# Altium PCB AVALON2_21b.PcbDoc (part 3 of 7) (continued)
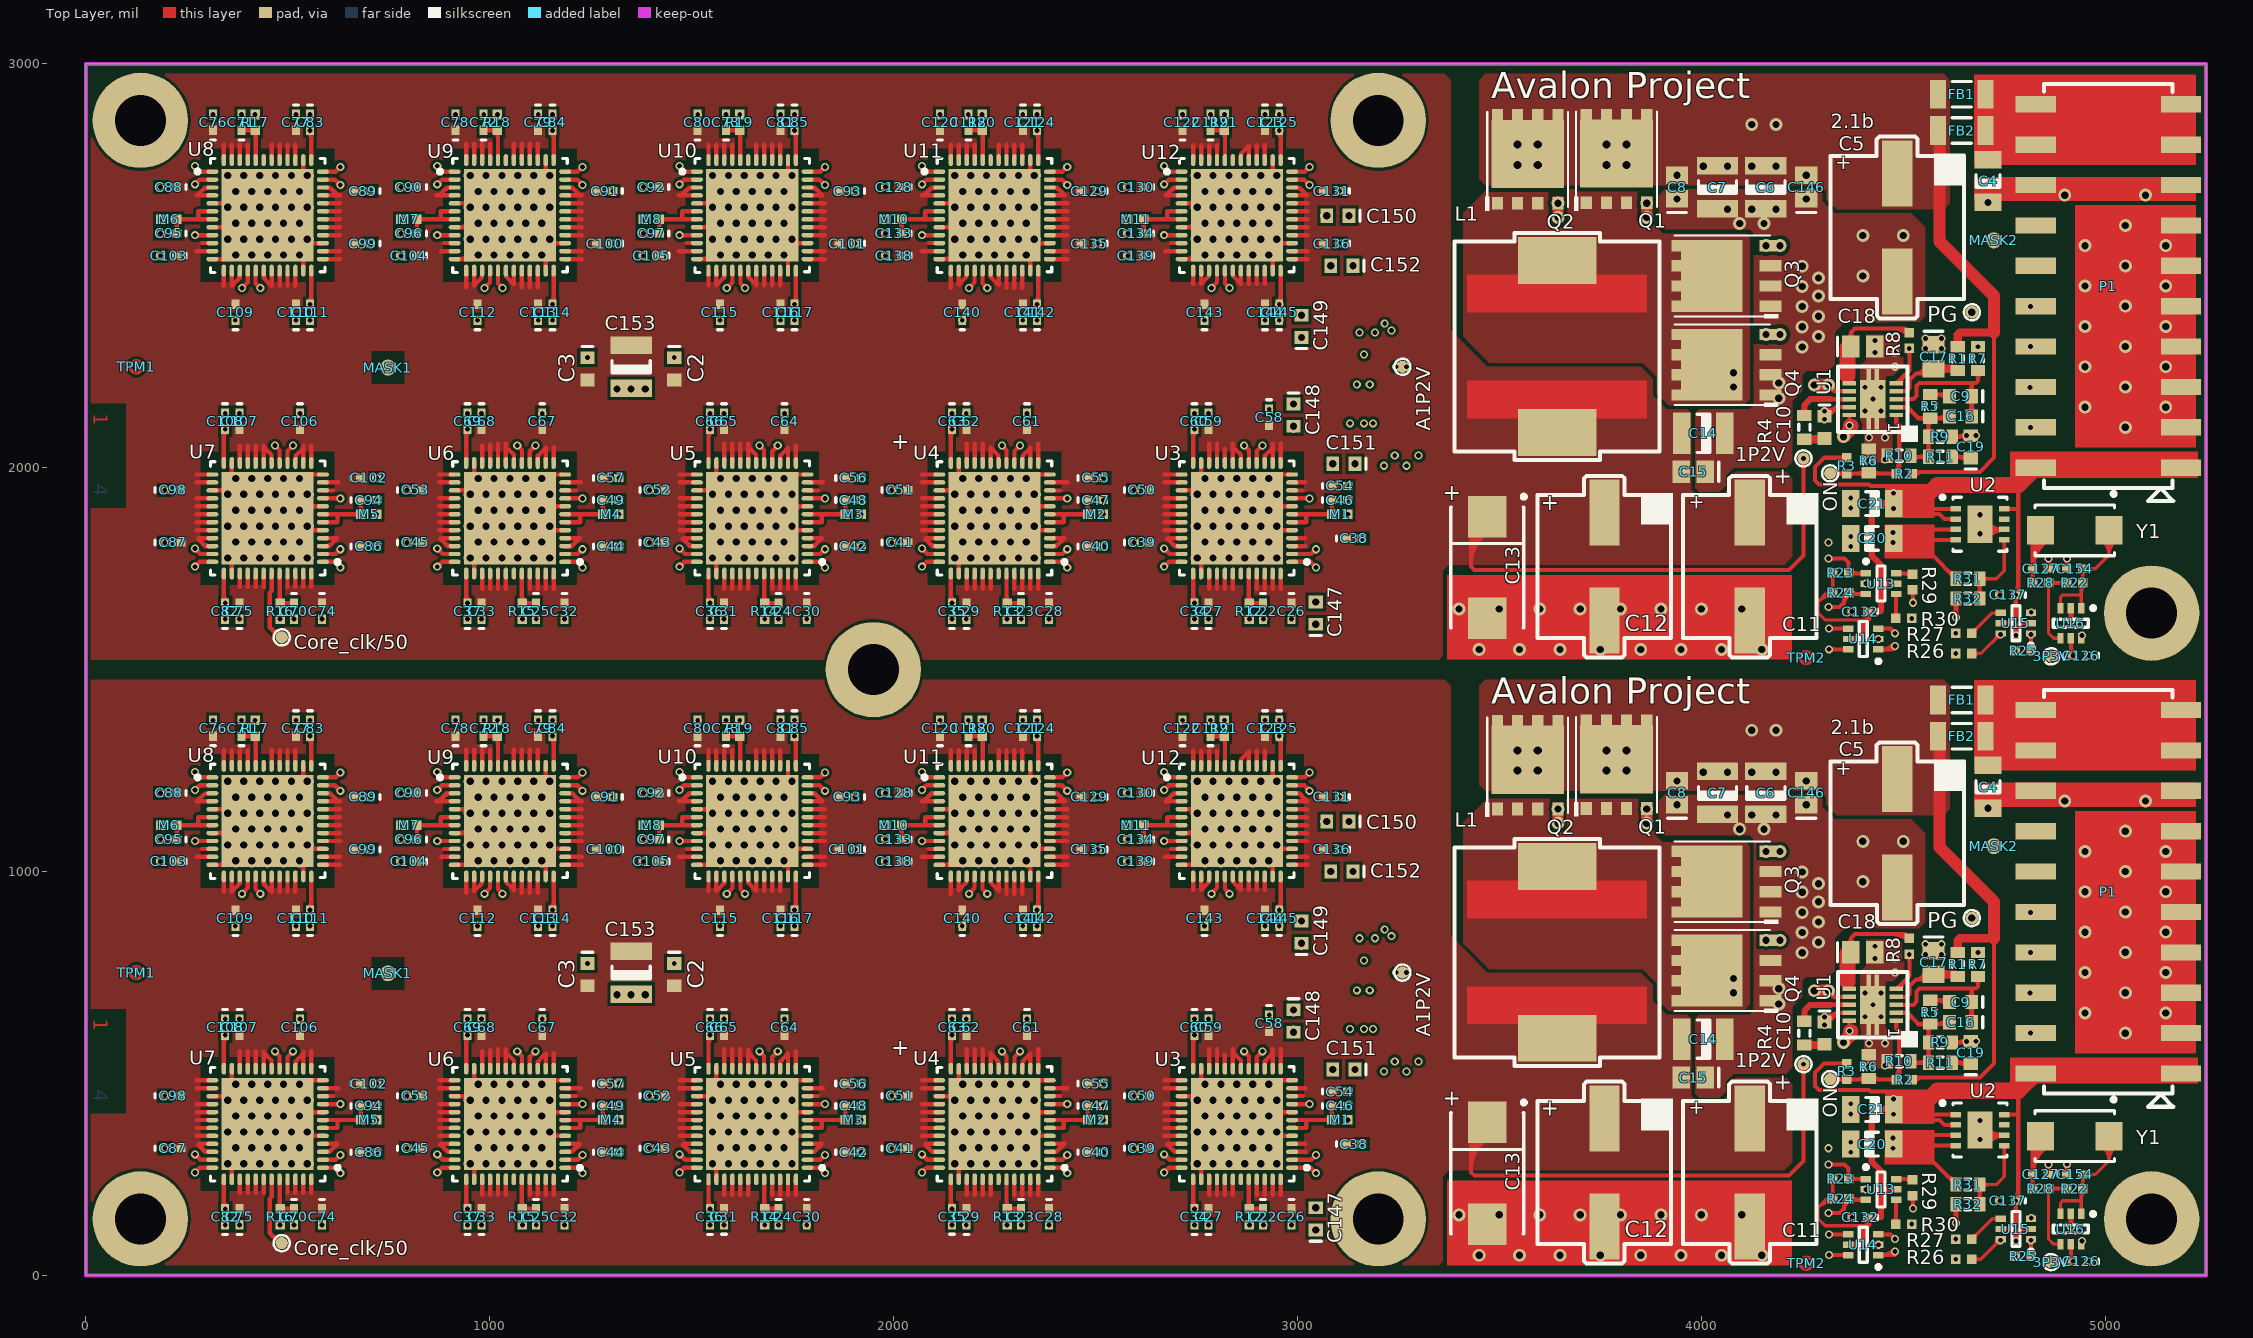
[diagram p0: Top Layer view]
## Nets (pads, with @x,y where several pads share a name; then routed paths per layer and width w, separated by ;. In a path a pad name is that pad's centre, name@x,y a point inside that pad or via, vN(x,y) a via of type N, cw(c..) or ccw(c..) an arc to the next point about the centre after c; other vN are vias at no path point) (continued)
; U11.49@2326.84,1048.16 cw(c2346.03,1028.97) U11.49@2346.03,1056.1 ; U11.49@2326.84,2548.16 cw(c2346.03,2528.97) U11.49@2346.03,2556.1 ; U4.49@2328.39,395.04 cw(c2351.3,372.13) U4.49@2351.3,404.53 ; U4.49@2328.39,1895.04 cw(c2351.3,1872.13) U4.49@2351.3,1904.53 ; U4.49@2336.16,387.26 cw(c2377.85,345.57) U4.8@2377.85,404.53 ; U4.49@2336.16,1887.26 cw(c2377.85,1845.57) U4.8@2377.85,1904.53 ; U11.49@2336.39,1053.52 ccw(c2331.78,1070.73) U11.49@2348.91,1065.81 ; U11.49@2336.39,2553.52 ccw(c2331.78,2570.73) U11.49@2348.91,2565.81 ; U11.23@2338.58,986.22 U11.49@2338.58,1036.42 ; U11.49@2338.58,1213.58 U11.38@2338.58,1263.78 ; U11.23@2338.58,2486.22 U11.49@2338.58,2536.42 ; U11.49@2338.58,2713.58 U11.38@2338.58,2763.78 ; U11.49@2343.62,1056.1 U11.27@2384.84,1056.1 ; U11.49@2343.62,2556.1 U11.27@2384.84,2556.1 ; U4.49@2353.62,483.27 U4.12@2384.84,483.27 ; U4.49@2353.62,1983.27 U4.12@2384.84,1983.27 ; U3.27@2711.22,443.9 U3.49@2742,443.9 ; U12.8@2711.22,1095.47 U12.49@2820.47,1095.47 ; U12.5@2711.22,1154.53 2820.47,1154.53 ccw(c2820.47,1133.43) U12.49@2800.76,1140.94 ; U3.27@2711.22,1943.9 U3.49@2742,1943.9 ; U12.8@2711.22,2595.47 U12.49@2820.47,2595.47 ; U12.5@2711.22,2654.53 2820.47,2654.53 ccw(c2820.47,2633.43) U12.49@2800.76,2640.94 ; U12.12@2715.16,1016.73 U12.49@2756.38,1016.73 ; U12.12@2715.16,2516.73 U12.49@2756.38,2516.73 ; U12.12@2722.15,1016.73 ccw(c2722.15,1075.69) U12.49@2763.84,1034 ; U12.8@2722.15,1095.47 ccw(c2722.15,1154.43) U12.49@2763.84,1112.74 ; U12.12@2722.15,2516.73 ccw(c2722.15,2575.69) U12.49@2763.84,2534 ; U12.8@2722.15,2595.47 ccw(c2722.15,2654.43) U12.49@2763.84,2612.74 ; U12.49@2741.83,1154.53 cw(c2741.83,1095.57) U12.49@2783.52,1137.26 ; U12.49@2741.83,2654.53 cw(c2741.83,2595.57) U12.49@2783.52,2637.26 ; U12.49@2748.71,1016.73 ccw(c2748.71,1049.13) U12.49@2771.61,1026.22 ; U12.49@2748.71,1095.47 ccw(c2748.71,1127.87) U12.49@2771.61,1104.96 ; U12.49@2748.71,2516.73 ccw(c2748.71,2549.13) U12.49@2771.61,2526.22 ; U12.49@2748.71,2595.47 ccw(c2748.71,2627.87) U12.49@2771.61,2604.96 ; U12.49@2751.22,1145.04 cw(c2774.13,1122.13) U12.49@2774.13,1154.53 ; U12.49@2751.22,2645.04 cw(c2774.13,2622.13) U12.49@2774.13,2654.53 ; U12.49@2759,1137.26 cw(c2800.69,1095.57) U12.49@2800.69,1154.53 ; U12.49@2759,2637.26 cw(c2800.69,2595.57) U12.49@2800.69,2654.53 ; U3.38@2761.42,236.22 U3.49@2761.42,286.42 ; U3.49@2761.42,463.58 U3.23@2761.42,513.78 ; U3.38@2761.42,1736.22 U3.49@2761.42,1786.42 ; U3.49@2761.42,1963.58 U3.23@2761.42,2013.78 ; U12.49@2761.52,1095.47 ccw(c2761.52,1154.43) U12.49@2803.21,1112.74 ; U12.49@2761.52,2595.47 ccw(c2761.52,2654.43) U12.49@2803.21,2612.74 ; U12.49@2768.39,1154.53 cw(c2768.39,1122.13) U12.49@2791.3,1145.04 ; U12.49@2768.39,2654.53 cw(c2768.39,2622.13) U12.49@2791.3,2645.04 ; U12.49@2770.91,1104.96 ccw(c2793.81,1127.87) U12.49@2793.81,1095.47 ; U12.49@2770.91,2604.96 ccw(c2793.81,2627.87) U12.49@2793.81,2595.47 ; U12.49@2778.68,1112.74 ccw(c2820.37,1154.43) U12.49@2820.37,1095.47 ; U12.49@2778.68,2612.74 ccw(c2820.37,2654.43) U12.49@2820.37,2595.47 ; U12.49@2781.2,1154.53 cw(c2781.2,1095.57) U12.49@2822.89,1137.26 ; U12.49@2781.2,2654.53 cw(c2781.2,2595.57) U12.49@2822.89,2637.26 ; U12.49@2788.08,1095.47 ccw(c2788.08,1127.87) U12.49@2810.98,1104.96 ; U12.49@2788.08,2595.47 ccw(c2788.08,2627.87) U12.49@2810.98,2604.96 ; U12.49@2790.48,1144.86 cw(c2804.51,1139.52) U12.49@2804.51,1154.53 ; U12.49@2790.48,2644.86 cw(c2804.51,2639.52) U12.49@2804.51,2654.53 ; U12.49@2807.76,1154.53 cw(c2807.76,1122.13) U12.49@2830.67,1145.04 ; U12.49@2807.76,2654.53 cw(c2807.76,2622.13) U12.49@2830.67,2645.04 ; U3.49@2869.33,354.96 ccw(c2892.24,377.87) U3.49@2892.24,345.47 ; U3.49@2869.33,1854.96 ccw(c2892.24,1877.87) U3.49@2892.24,1845.47 ; U3.49@2877.11,362.74 ccw(c2918.8,404.43) U3.49@2918.8,345.47 ; U3.49@2877.11,1862.74 ccw(c2918.8,1904.43) U3.49@2918.8,1845.47 ; U3.49@2879.53,404.53 U3.8@2988.78,404.53 ; U3.49@2879.53,1904.53 U3.8@2988.78,1904.53 ; U3.49@2879.63,404.53 cw(c2879.63,345.57) U3.49@2921.32,387.26 ; U3.49@2879.63,1904.53 cw(c2879.63,1845.57) U3.49@2921.32,1887.26 ; U3.49@2889.02,395.04 cw(c2911.92,372.13) U3.49@2911.92,404.53 ; U3.49@2889.02,1895.04 cw(c2911.92,1872.13) U3.49@2911.92,1904.53 ; U3.49@2895.49,345.47 ccw(c2895.49,360.48) U3.49@2909.52,355.14 ; U3.49@2895.49,1845.47 ccw(c2895.49,1860.48) U3.49@2909.52,1855.14 ; U3.49@2896.79,387.26 cw(c2938.48,345.57) U3.49@2938.48,404.53 ; U3.49@2896.79,1887.26 cw(c2938.48,1845.57) U3.49@2938.48,1904.53 ; U3.49@2899.24,359.06 cw(c2879.53,366.57) 2879.53,345.47 U3.5@2988.78,345.47 ; U3.49@2899.24,1859.06 cw(c2879.53,1866.57) 2879.53,1845.47 U3.5@2988.78,1845.47 ; U3.49@2899.31,345.47 ccw(c2899.31,404.43) U3.49@2941,362.74 ; U3.49@2899.31,1845.47 ccw(c2899.31,1904.43) U3.49@2941,1862.74 ; U3.49@2906.19,404.53 cw(c2906.19,372.13) U3.49@2929.09,395.04 ; U3.49@2906.19,1904.53 cw(c2906.19,1872.13) U3.49@2929.09,1895.04 ; U3.49@2908.7,354.96 ccw(c2931.61,377.87) U3.49@2931.61,345.47 ; U3.49@2908.7,1854.96 ccw(c2931.61,1877.87) U3.49@2931.61,1845.47 ; U3.49@2916.48,362.74 ccw(c2958.17,404.43) U3.49@2958.17,345.47 ; U3.49@2916.48,1862.74 ccw(c2958.17,1904.43) U3.49@2958.17,1845.47 ; U3.49@2925.87,345.47 ccw(c2925.87,377.87) U3.49@2948.78,354.96 ; U3.49@2925.87,1845.47 ccw(c2925.87,1877.87) U3.49@2948.78,1854.96 ; U3.49@2928.39,395.04 cw(c2951.29,372.13) U3.49@2951.29,404.53 ; U3.49@2928.39,1895.04 cw(c2951.29,1872.13) U3.49@2951.29,1904.53 ; U3.49@2936.16,387.26 cw(c2977.85,345.57) U3.8@2977.85,404.53 ; U3.49@2936.16,1887.26 cw(c2977.85,1845.57) U3.8@2977.85,1904.53 ; U12.23@2938.58,986.22 U12.49@2938.58,1036.42 ; U12.49@2938.58,1213.58 U12.38@2938.58,1263.78 ; U12.23@2938.58,2486.22 U12.49@2938.58,2536.42 ; U12.49@2938.58,2713.58 U12.38@2938.58,2763.78 ; U3.49@2953.62,483.27 U3.12@2984.84,483.27 ; U12.49@2953.62,1056.1 U12.27@2984.84,1056.1 ; U3.49@2953.62,1983.27 U3.12@2984.84,1983.27 ; U12.49@2953.62,2556.1 U12.27@2984.84,2556.1
  Top Layer w12: R6.1@4409.5,541.03 cw(c4396.22,527.75) 4415,527.75 cw(c4433.78,527.75) R6.1@4420.5,541.03 ; R6.1@4409.5,2041.03 cw(c4396.22,2027.75) 4415,2027.75 cw(c4433.78,2027.75) R6.1@4420.5,2041.03 ; v2@4411.63,521.15 ccw(c4398.68,529.38) R6.1@4413.5,533.35 ; v2@4411.63,2021.15 ccw(c4398.68,2029.38) R6.1@4413.5,2033.35 ; v2@4415,516.25 v2(4415,519) R6.1@4415,546.53 ; v2@4415,2016.25 v2(4415,2019) R6.1@4415,2046.53 ; R6.1@4416.5,533.35 ccw(c4431.32,529.38) v2@4418.38,521.15 ; R6.1@4416.5,2033.35 ccw(c4431.32,2029.38) v2@4418.38,2021.15 ; R32.2@4624.97,166.56 cw(c4611.69,153.28) 4630.47,153.28 cw(c4649.25,153.28) R32.2@4635.97,166.56 ; R32.2@4624.97,1666.56 cw(c4611.69,1653.28) 4630.47,1653.28 cw(c4649.25,1653.28) R32.2@4635.97,1666.56 ; v2(4630.47,129.53) R32.2@4630.47,176 ; v2(4630.47,1629.53) R32.2@4630.47,1676 ; U2.9@4686.46,339.92 cw(c4704.05,322.33) U2.9@4704.05,347.2 ; U2.9@4686.46,1839.92 cw(c4704.05,1822.33) U2.9@4704.05,1847.2 ; U2.9@4692.96,342.71 ccw(c4700.9,359.67) U2.9@4711.41,344.18 ; U2.9@4692.96,1842.71 ccw(c4700.9,1859.67) U2.9@4711.41,1844.18 ; U2.9@4694.94,331.43 cw(c4733.02,293.36) 4733.02,347.2 ; U2.9@4694.94,1831.43 cw(c4733.02,1793.36) 4733.02,1847.2 ; U2.9@4699.47,336.07 cw(c4723.8,315.04) 4723.8,347.2 ; U2.9@4699.47,1836.07 cw(c4723.8,1815.04) 4723.8,1847.2 ; U2.9@4702.8,347.2 U2.6@4750.04,347.2 ccw(c4750.04,292.37) U2.9@4708.55,328.22 ; U2.9@4702.8,1847.2 U2.6@4750.04,1847.2 ccw(c4750.04,1792.37) U2.9@4708.55,1828.22 ; U2.9@4707.33,361.58 ccw(c4742.05,396.3) U2.6@4742.05,347.2 ; U2.9@4707.33,1861.58 ccw(c4742.05,1896.3) U2.6@4742.05,1847.2 ; v2(4779,85) 4779,103.13 4790.87,115 U15.2@4816.4,115 ; v2(4779,1585) 4779,1603.13 4790.87,1615 U15.2@4816.4,1615 ; C127.1@4856.97,252.72 ccw(c4849.65,260.04) 4860,260.04 ; C127.1@4856.97,1752.72 ccw(c4849.65,1760.04) 4860,1760.04 ; C127.1@4860,250.31 v2(4860,275) ; C127.1@4860,1750.31 v2(4860,1775) ; C154.1@4905.32,250 v2(4905.32,275.32) ; C154.1@4905.32,1750 v2(4905.32,1775.32) ; v2(4915,120) U16.2@4915,152.4 ; v2(4915,1620) U16.2@4915,1652.4
  other v1: 3450,50 3550,50 3650,50 3750,50 3850,50 3950,50 4050,50 4150,50 3045,112.44 3400,150 3500,150 3600,150 3700,150 3800,150 3900,150 4000,150 4100,150 351.57,276.57 390.94,276.57 430.31,276.57 469.69,276.57 509.06,276.57 548.43,276.57 951.57,276.57 990.94,276.57 1030.31,276.57 1069.69,276.57 1109.06,276.57 1148.43,276.57 1551.57,276.57 1590.94,276.57 1630.31,276.57 1669.69,276.57 1709.06,276.57 1748.43,276.57 2151.57,276.57 2190.94,276.57 2230.31,276.57 2269.69,276.57 2309.06,276.57 2348.43,276.57 2751.57,276.57 2790.94,276.57 2830.32,276.57 2869.68,276.57 2909.06,276.57 2948.43,276.57 371.26,315.94 410.63,315.94 450,315.94 489.37,315.94 528.74,315.94 971.26,315.94 1010.63,315.94 1050,315.94 1089.37,315.94 1128.74,315.94 1571.26,315.94 1610.63,315.94 1650,315.94 1689.37,315.94 1728.74,315.94 2171.26,315.94 2210.63,315.94 2250,315.94 2289.37,315.94 2328.74,315.94 2771.26,315.94 2810.63,315.94 2850,315.94 2889.37,315.94 2928.74,315.94 351.57,355.32 390.94,355.32 430.31,355.32 469.69,355.32 509.06,355.32 548.43,355.32 951.57,355.32 990.94,355.32 1030.31,355.32 1069.69,355.32 1109.06,355.32 1148.43,355.32 1551.57,355.32 1590.94,355.32 1630.31,355.32 1669.69,355.32 1709.06,355.32 1748.43,355.32 2151.57,355.32 2190.94,355.32 2230.31,355.32 2269.69,355.32 2309.06,355.32 2348.43,355.32 2751.57,355.32 2790.94,355.32 2830.32,355.32 2869.68,355.32 2909.06,355.32 2948.43,355.32 371.26,394.69 410.63,394.69 450,394.69 489.37,394.69 528.74,394.69 971.26,394.69 1010.63,394.69 1050,394.69 1089.37,394.69 1128.74,394.69 1571.26,394.69 1610.63,394.69 1650,394.69 1689.37,394.69 1728.74,394.69 2171.26,394.69 2210.63,394.69 2250,394.69 2289.37,394.69 2328.74,394.69 2771.26,394.69 2810.63,394.69 2850,394.69 2889.37,394.69 2928.74,394.69 351.57,434.06 390.94,434.06 430.31,434.06 469.69,434.06 509.06,434.06 548.43,434.06 951.57,434.06 990.94,434.06 1030.31,434.06 1069.69,434.06 1109.06,434.06 1148.43,434.06 1551.57,434.06 1590.94,434.06 1630.31,434.06 1669.69,434.06 1709.06,434.06 1748.43,434.06 2190.94,434.06 2230.31,434.06 2269.69,434.06 2309.06,434.06 2348.43,434.06 2751.57,434.06 2790.94,434.06 2830.32,434.06 2869.68,434.06 2909.06,434.06 2948.43,434.06 371.26,473.43 410.63,473.43 450,473.43 489.37,473.43 528.74,473.43 971.26,473.43 1010.63,473.43 1050,473.43 1089.37,473.43 1128.74,473.43 1571.26,473.43 1610.63,473.43 1650,473.43 1689.37,473.43 1728.74,473.43 2171.26,473.43 2210.63,473.43 2250,473.43 2289.37,473.43 2328.74,473.43 2771.26,473.43 2810.63,473.43 2850,473.43 2889.37,473.43 2928.74,473.43 3142.56,510 5050,600 4950,650 5150,650 2990,657.56 4192,672 1315,695 1350,695 1385,695 5050,700 4192,710 4950,750 5150,750 4249.72,799 5050,800 3010,822.44 4290,825 4249.72,849 4950,850 5150,850 4290,875 4249.72,899 5050,900 4290,925 4249.72,949 4950,950 5150,950 4290,970 4400,975 4249.72,999 3137.56,1000 5050,1000 371.26,1026.57 410.63,1026.57 450,1026.57 489.37,1026.57 528.74,1026.57 971.26,1026.57 1010.63,1026.57 1050,1026.57 1089.37,1026.57 1128.74,1026.57 1571.26,1026.57 1610.63,1026.57 1650,1026.57 1689.37,1026.57 1728.74,1026.57 2171.26,1026.57 2210.63,1026.57 2250,1026.57 2289.37,1026.57 2328.74,1026.57 2771.26,1026.57 2810.63,1026.57 2850,1026.57 2889.37,1026.57 2928.74,1026.57 4950,1050 5150,1050 351.57,1065.94 390.94,1065.94 430.31,1065.94 469.69,1065.94 509.06,1065.94 548.43,1065.94 951.57,1065.94 990.94,1065.94 1030.31,1065.94 1069.69,1065.94 1109.06,1065.94 1148.43,1065.94 1551.57,1065.94 1590.94,1065.94 1630.31,1065.94 1669.69,1065.94 1709.06,1065.94 1748.43,1065.94 2151.57,1065.94 2190.94,1065.94 2230.31,1065.94 2269.69,1065.94 2309.06,1065.94 2348.43,1065.94 2751.57,1065.94 2790.94,1065.94 2830.32,1065.94 2869.68,1065.94 2909.06,1065.94 2948.43,1065.94 4400,1075 4500,1075 5050,1100 371.26,1105.31 410.63,1105.31 450,1105.31 489.37,1105.31 528.74,1105.31 971.26,1105.31 1010.63,1105.31 1050,1105.31 1089.37,1105.31 1128.74,1105.31 1571.26,1105.31 1610.63,1105.31 1650,1105.31 1689.37,1105.31 1728.74,1105.31 2171.26,1105.31 2210.63,1105.31 2250,1105.31 2289.37,1105.31 2328.74,1105.31 2771.26,1105.31 2810.63,1105.31 2850,1105.31 2889.37,1105.31 2928.74,1105.31 4095,1105 4155,1105 3127.56,1124 4065,1140 4125,1140 4185,1140 351.57,1144.68 390.94,1144.68 430.31,1144.68 469.69,1144.68 509.06,1144.68 548.43,1144.68 951.57,1144.68 990.94,1144.68 1030.31,1144.68 1069.69,1144.68 1109.06,1144.68 1148.43,1144.68 1551.57,1144.68 1590.94,1144.68 1630.31,1144.68 1669.69,1144.68 1709.06,1144.68 1748.43,1144.68 2151.57,1144.68 2190.94,1144.68 2230.31,1144.68 2269.69,1144.68 2309.06,1144.68 2348.43,1144.68 2751.57,1144.68 2790.94,1144.68 2830.32,1144.68 2869.68,1144.68 2909.06,1144.68 2948.43,1144.68 4710,1156.85 3940,1165.47 4260,1165.47 4900,1175 5100,1175 371.26,1184.06 410.63,1184.06 450,1184.06 489.37,1184.06 528.74,1184.06 971.26,1184.06 1010.63,1184.06 1050,1184.06 1089.37,1184.06 1128.74,1184.06 1571.26,1184.06 1610.63,1184.06 1650,1184.06 1689.37,1184.06 1728.74,1184.06 2171.26,1184.06 2210.63,1184.06 2250,1184.06 2289.37,1184.06 2328.74,1184.06 2771.26,1184.06 2810.63,1184.06 2850,1184.06 2889.37,1184.06 2928.74,1184.06 351.57,1223.43 390.94,1223.43 430.31,1223.43 469.69,1223.43 509.06,1223.43 548.43,1223.43 951.57,1223.43 990.94,1223.43 1030.31,1223.43 1069.69,1223.43 1109.06,1223.43 1148.43,1223.43 1551.57,1223.43 1590.94,1223.43 1630.31,1223.43 1669.69,1223.43 1709.06,1223.43 1748.43,1223.43 2151.57,1223.43 2190.94,1223.43 2230.31,1223.43 2269.69,1223.43 2309.06,1223.43 2348.43,1223.43 2751.57,1223.43 2790.94,1223.43 2830.32,1223.43 2869.68,1223.43 2909.06,1223.43 2948.43,1223.43 3450,1550 3550,1550 3650,1550 3750,1550 3850,1550 3950,1550 4050,1550 4150,1550 3045,1612.44 3400,1650 3500,1650 3600,1650 3700,1650 3800,1650 3900,1650 4000,1650 4100,1650 351.57,1776.57 390.94,1776.57 430.31,1776.57 469.69,1776.57 509.06,1776.57 548.43,1776.57 951.57,1776.57 990.94,1776.57 1030.31,1776.57 1069.69,1776.57 1109.06,1776.57 1148.43,1776.57 1551.57,1776.57 1590.94,1776.57 1630.31,1776.57 1669.69,1776.57 1709.06,1776.57 1748.43,1776.57 2151.57,1776.57 2190.94,1776.57 2230.31,1776.57 2269.69,1776.57 2309.06,1776.57 2348.43,1776.57 2751.57,1776.57 2790.94,1776.57 2830.32,1776.57 2869.68,1776.57 2909.06,1776.57 2948.43,1776.57 371.26,1815.94 410.63,1815.94 450,1815.94 489.37,1815.94 528.74,1815.94 971.26,1815.94 1010.63,1815.94 1050,1815.94 1089.37,1815.94 1128.74,1815.94 1571.26,1815.94 1610.63,1815.94 1650,1815.94 1689.37,1815.94 1728.74,1815.94 2171.26,1815.94 2210.63,1815.94 2250,1815.94 2289.37,1815.94 2328.74,1815.94 2771.26,1815.94 2810.63,1815.94 2850,1815.94 2889.37,1815.94 2928.74,1815.94 351.57,1855.32 390.94,1855.32 430.31,1855.32 469.69,1855.32 509.06,1855.32 548.43,1855.32 951.57,1855.32 990.94,1855.32 1030.31,1855.32 1069.69,1855.32 1109.06,1855.32 1148.43,1855.32 1551.57,1855.32 1590.94,1855.32 1630.31,1855.32 1669.69,1855.32 1709.06,1855.32 1748.43,1855.32 2151.57,1855.32 2190.94,1855.32 2230.31,1855.32 2269.69,1855.32 2309.06,1855.32 2348.43,1855.32 2751.57,1855.32 2790.94,1855.32 2830.32,1855.32 2869.68,1855.32 2909.06,1855.32 2948.43,1855.32 371.26,1894.69 410.63,1894.69 450,1894.69 489.37,1894.69 528.74,1894.69 971.26,1894.69 1010.63,1894.69 1050,1894.69 1089.37,1894.69 1128.74,1894.69 1571.26,1894.69 1610.63,1894.69 1650,1894.69 1689.37,1894.69 1728.74,1894.69 2171.26,1894.69 2210.63,1894.69 2250,1894.69 2289.37,1894.69 2328.74,1894.69 2771.26,1894.69 2810.63,1894.69 2850,1894.69 2889.37,1894.69 2928.74,1894.69 351.57,1934.06 390.94,1934.06 430.31,1934.06 469.69,1934.06 509.06,1934.06 548.43,1934.06 951.57,1934.06 990.94,1934.06 1030.31,1934.06 1069.69,1934.06 1109.06,1934.06 1148.43,1934.06 1551.57,1934.06 1590.94,1934.06 1630.31,1934.06 1669.69,1934.06 1709.06,1934.06 1748.43,1934.06 2190.94,1934.06 2230.31,1934.06 2269.69,1934.06 2309.06,1934.06 2348.43,1934.06 2751.57,1934.06 2790.94,1934.06 2830.32,1934.06 2869.68,1934.06 2909.06,1934.06 2948.43,1934.06 371.26,1973.43 410.63,1973.43 450,1973.43 489.37,1973.43 528.74,1973.43 971.26,1973.43 1010.63,1973.43 1050,1973.43 1089.37,1973.43 1128.74,1973.43 1571.26,1973.43 1610.63,1973.43 1650,1973.43 1689.37,1973.43 1728.74,1973.43 2171.26,1973.43 2210.63,1973.43 2250,1973.43 2289.37,1973.43 2328.74,1973.43 2771.26,1973.43 2810.63,1973.43 2850,1973.43 2889.37,1973.43 2928.74,1973.43 3142.56,2010 5050,2100 4950,2150 5150,2150 2990,2157.56 4192,2172 1315,2195 1350,2195 1385,2195 5050,2200 4192,2210 4950,2250 5150,2250 4249.72,2299 5050,2300 3010,2322.44 4290,2325 4249.72,2349 4950,2350 5150,2350 4290,2375 4249.72,2399 5050,2400 4290,2425 4249.72,2449 4950,2450 5150,2450 4290,2470 4400,2475 4249.72,2499 3137.56,2500 5050,2500 371.26,2526.57 410.63,2526.57 450,2526.57 489.37,2526.57 528.74,2526.57 971.26,2526.57 1010.63,2526.57 1050,2526.57 1089.37,2526.57 1128.74,2526.57 1571.26,2526.57 1610.63,2526.57 1650,2526.57 1689.37,2526.57 1728.74,2526.57 2171.26,2526.57 2210.63,2526.57 2250,2526.57 2289.37,2526.57 2328.74,2526.57 2771.26,2526.57 2810.63,2526.57 2850,2526.57 2889.37,2526.57 2928.74,2526.57 4950,2550 5150,2550 351.57,2565.94 390.94,2565.94 430.31,2565.94 469.69,2565.94 509.06,2565.94 548.43,2565.94 951.57,2565.94 990.94,2565.94 1030.31,2565.94 1069.69,2565.94 1109.06,2565.94 1148.43,2565.94 1551.57,2565.94 1590.94,2565.94 1630.31,2565.94 1669.69,2565.94 1709.06,2565.94 1748.43,2565.94 2151.57,2565.94 2190.94,2565.94 2230.31,2565.94 2269.69,2565.94 2309.06,2565.94 2348.43,2565.94 2751.57,2565.94 2790.94,2565.94 2830.32,2565.94 2869.68,2565.94 2909.06,2565.94 2948.43,2565.94 4400,2575 4500,2575 5050,2600 371.26,2605.31 410.63,2605.31 450,2605.31 489.37,2605.31 528.74,2605.31 971.26,2605.31 1010.63,2605.31 1050,2605.31 1089.37,2605.31 1128.74,2605.31 1571.26,2605.31 1610.63,2605.31 1650,2605.31 1689.37,2605.31 1728.74,2605.31 2171.26,2605.31 2210.63,2605.31 2250,2605.31 2289.37,2605.31 2328.74,2605.31 2771.26,2605.31 2810.63,2605.31 2850,2605.31 2889.37,2605.31 2928.74,2605.31 4095,2605 4155,2605 3127.56,2624 4065,2640 4125,2640 4185,2640 351.57,2644.68 390.94,2644.68 430.31,2644.68 469.69,2644.68 509.06,2644.68 548.43,2644.68 951.57,2644.68 990.94,2644.68 1030.31,2644.68 1069.69,2644.68 1109.06,2644.68 1148.43,2644.68 1551.57,2644.68 1590.94,2644.68 1630.31,2644.68 1669.69,2644.68 1709.06,2644.68 1748.43,2644.68 2151.57,2644.68 2190.94,2644.68 2230.31,2644.68 2269.69,2644.68 2309.06,2644.68 2348.43,2644.68 2751.57,2644.68 2790.94,2644.68 2830.32,2644.68 2869.68,2644.68 2909.06,2644.68 2948.43,2644.68 4710,2656.85 3940,2665.47 4260,2665.47 4900,2675 5100,2675 371.26,2684.06 410.63,2684.06 450,2684.06 489.37,2684.06 528.74,2684.06 971.26,2684.06 1010.63,2684.06 1050,2684.06 1089.37,2684.06 1128.74,2684.06 1571.26,2684.06 1610.63,2684.06 1650,2684.06 1689.37,2684.06 1728.74,2684.06 2171.26,2684.06 2210.63,2684.06 2250,2684.06 2289.37,2684.06 2328.74,2684.06 2771.26,2684.06 2810.63,2684.06 2850,2684.06 2889.37,2684.06 2928.74,2684.06 351.57,2723.43 390.94,2723.43 430.31,2723.43 469.69,2723.43 509.06,2723.43 548.43,2723.43 951.57,2723.43 990.94,2723.43 1030.31,2723.43 1069.69,2723.43 1109.06,2723.43 1148.43,2723.43 1551.57,2723.43 1590.94,2723.43 1630.31,2723.43 1669.69,2723.43 1709.06,2723.43 1748.43,2723.43 2151.57,2723.43 2190.94,2723.43 2230.31,2723.43 2269.69,2723.43 2309.06,2723.43 2348.43,2723.43 2751.57,2723.43 2790.94,2723.43 2830.32,2723.43 2869.68,2723.43 2909.06,2723.43 2948.43,2723.43
  other v2: 4959.68,35 4438.4,76 345,125.32 380,125.32 515,125.32 585,125.32 945,125.32 980,125.32 1115,125.32 1185,125.32 1545,125.32 1580,125.32 1715,125.32 1785,125.32 2145,125.32 2180,125.32 2316,125.32 2385,125.32 2745,125.32 2780,125.32 2916,125.31 2985,125.31 4373.31,144 4739.31,185 4407.6,213 719.69,305 1319.69,305 1919.69,305 2519.69,305 4370,305 195.16,315 795.31,315 1395.31,315 1995.31,315 2595.31,315 3159.69,325 4370,330 4370,400 719.69,420 1319.69,420 1919.69,420 2519.69,420 3124.69,420 4370,425 195.16,445 795.31,445 1395.31,445 1995.31,445 2595.31,445 3124.69,455 719.69,475 1319.69,475 1919.69,475 2519.69,475 4455,520 4415,575 4455,575 345,634.69 380,634.69 530,634.69 945,634.69 980,634.69 1130,634.69 1545,634.69 1580,634.69 1730,634.69 2145,634.69 2180,634.69 2330,634.69 2745,634.68 2780,634.68 2930,644.68 4480,750 1242,772.56 1457,772.56 4430,785 4480,785 4555,795 4595,795 4685,799.53 4430,815 4555,820 4595,820 370,865.31 520,865.31 555,865.31 970,865.32 1120,865.32 1155,865.32 1570,865.32 1720,865.32 1755,865.32 2170,865.32 2320,865.32 2355,865.32 2770,865.32 2920,865.32 2955,865.32 185.16,1025 780.31,1025 1380.31,1025 1980.31,1025 2580.31,1025 704.69,1055 1304.69,1055 1904.69,1055 2504.69,1055 3104.68,1055 185.16,1080 780.31,1080 1380.31,1080 1980.31,1080 2580.31,1080 704.69,1185 1304.69,1185 1904.69,1185 2504.69,1185 3104.68,1185 185.16,1195 780.31,1195 1380.31,1195 1980.31,1195 2580.31,1195 315,1374.68 385,1374.68 520,1374.68 555,1374.68 915,1374.69 985,1374.69 1120,1374.68 1155,1374.68 1515,1374.69 1585,1374.69 1720,1374.68 1755,1374.68 2115,1374.69 2185,1374.69 2320,1374.68 2355,1374.68 2715,1374.69 2785,1374.69 2920,1374.68 2955,1374.68 4959.68,1535 4438.4,1576 345,1625.32 380,1625.32 515,1625.32 585,1625.32 945,1625.32 980,1625.32 1115,1625.32 1185,1625.32 1545,1625.32 1580,1625.32 1715,1625.32 1785,1625.32 2145,1625.32 2180,1625.32 2316,1625.32 2385,1625.32 2745,1625.32 2780,1625.32 2916,1625.31 2985,1625.31 4373.31,1644 4739.31,1685 4407.6,1713 719.69,1805 1319.69,1805 1919.69,1805 2519.69,1805 4370,1805 195.16,1815 795.31,1815 1395.31,1815 1995.31,1815 2595.31,1815 3159.69,1825 4370,1830 4370,1900 719.69,1920 1319.69,1920 1919.69,1920 2519.69,1920 3124.69,1920 4370,1925 195.16,1945 795.31,1945 1395.31,1945 1995.31,1945 2595.31,1945 3124.69,1955 719.69,1975 1319.69,1975 1919.69,1975 2519.69,1975 4455,2020 4415,2075 4455,2075 345,2134.69 380,2134.69 530,2134.69 945,2134.69 980,2134.69 1130,2134.69 1545,2134.69 1580,2134.69 1730,2134.69 2145,2134.69 2180,2134.69 2330,2134.69 2745,2134.68 2780,2134.68 2930,2144.68 4480,2250 1242,2272.56 1457,2272.56 4430,2285 4480,2285 4555,2295 4595,2295 4685,2299.53 4430,2315 4555,2320 4595,2320 370,2365.31 520,2365.31 555,2365.31 970,2365.32 1120,2365.32 1155,2365.32 1570,2365.32 1720,2365.32 1755,2365.32 2170,2365.32 2320,2365.32 2355,2365.32 2770,2365.32 2920,2365.32 2955,2365.32 185.16,2525 780.31,2525 1380.31,2525 1980.31,2525 2580.31,2525 704.69,2555 1304.69,2555 1904.69,2555 2504.69,2555 3104.68,2555 185.16,2580 780.31,2580 1380.31,2580 1980.31,2580 2580.31,2580 704.69,2685 1304.69,2685 1904.69,2685 2504.69,2685 3104.68,2685 185.16,2695 780.31,2695 1380.31,2695 1980.31,2695 2580.31,2695 315,2874.68 385,2874.68 520,2874.68 555,2874.68 915,2874.69 985,2874.69 1120,2874.68 1155,2874.68 1515,2874.69 1585,2874.69 1720,2874.68 1755,2874.68 2115,2874.69 2185,2874.69 2320,2874.68 2355,2874.68 2715,2874.69 2785,2874.69 2920,2874.68 2955,2874.68
  other v5: 4405.32,640.47 4444.68,640.47 4425,670 4405.32,699.53 4444.68,699.53 4405.32,2140.47 4444.68,2140.47 4425,2170 4405.32,2199.53 4444.68,2199.53
  other v6: 4690,336.38 4690,383.62 4690,1836.38 4690,1883.62